# Altium PCB OCB Development Board.PcbDoc (part 1 of 2) (continued)
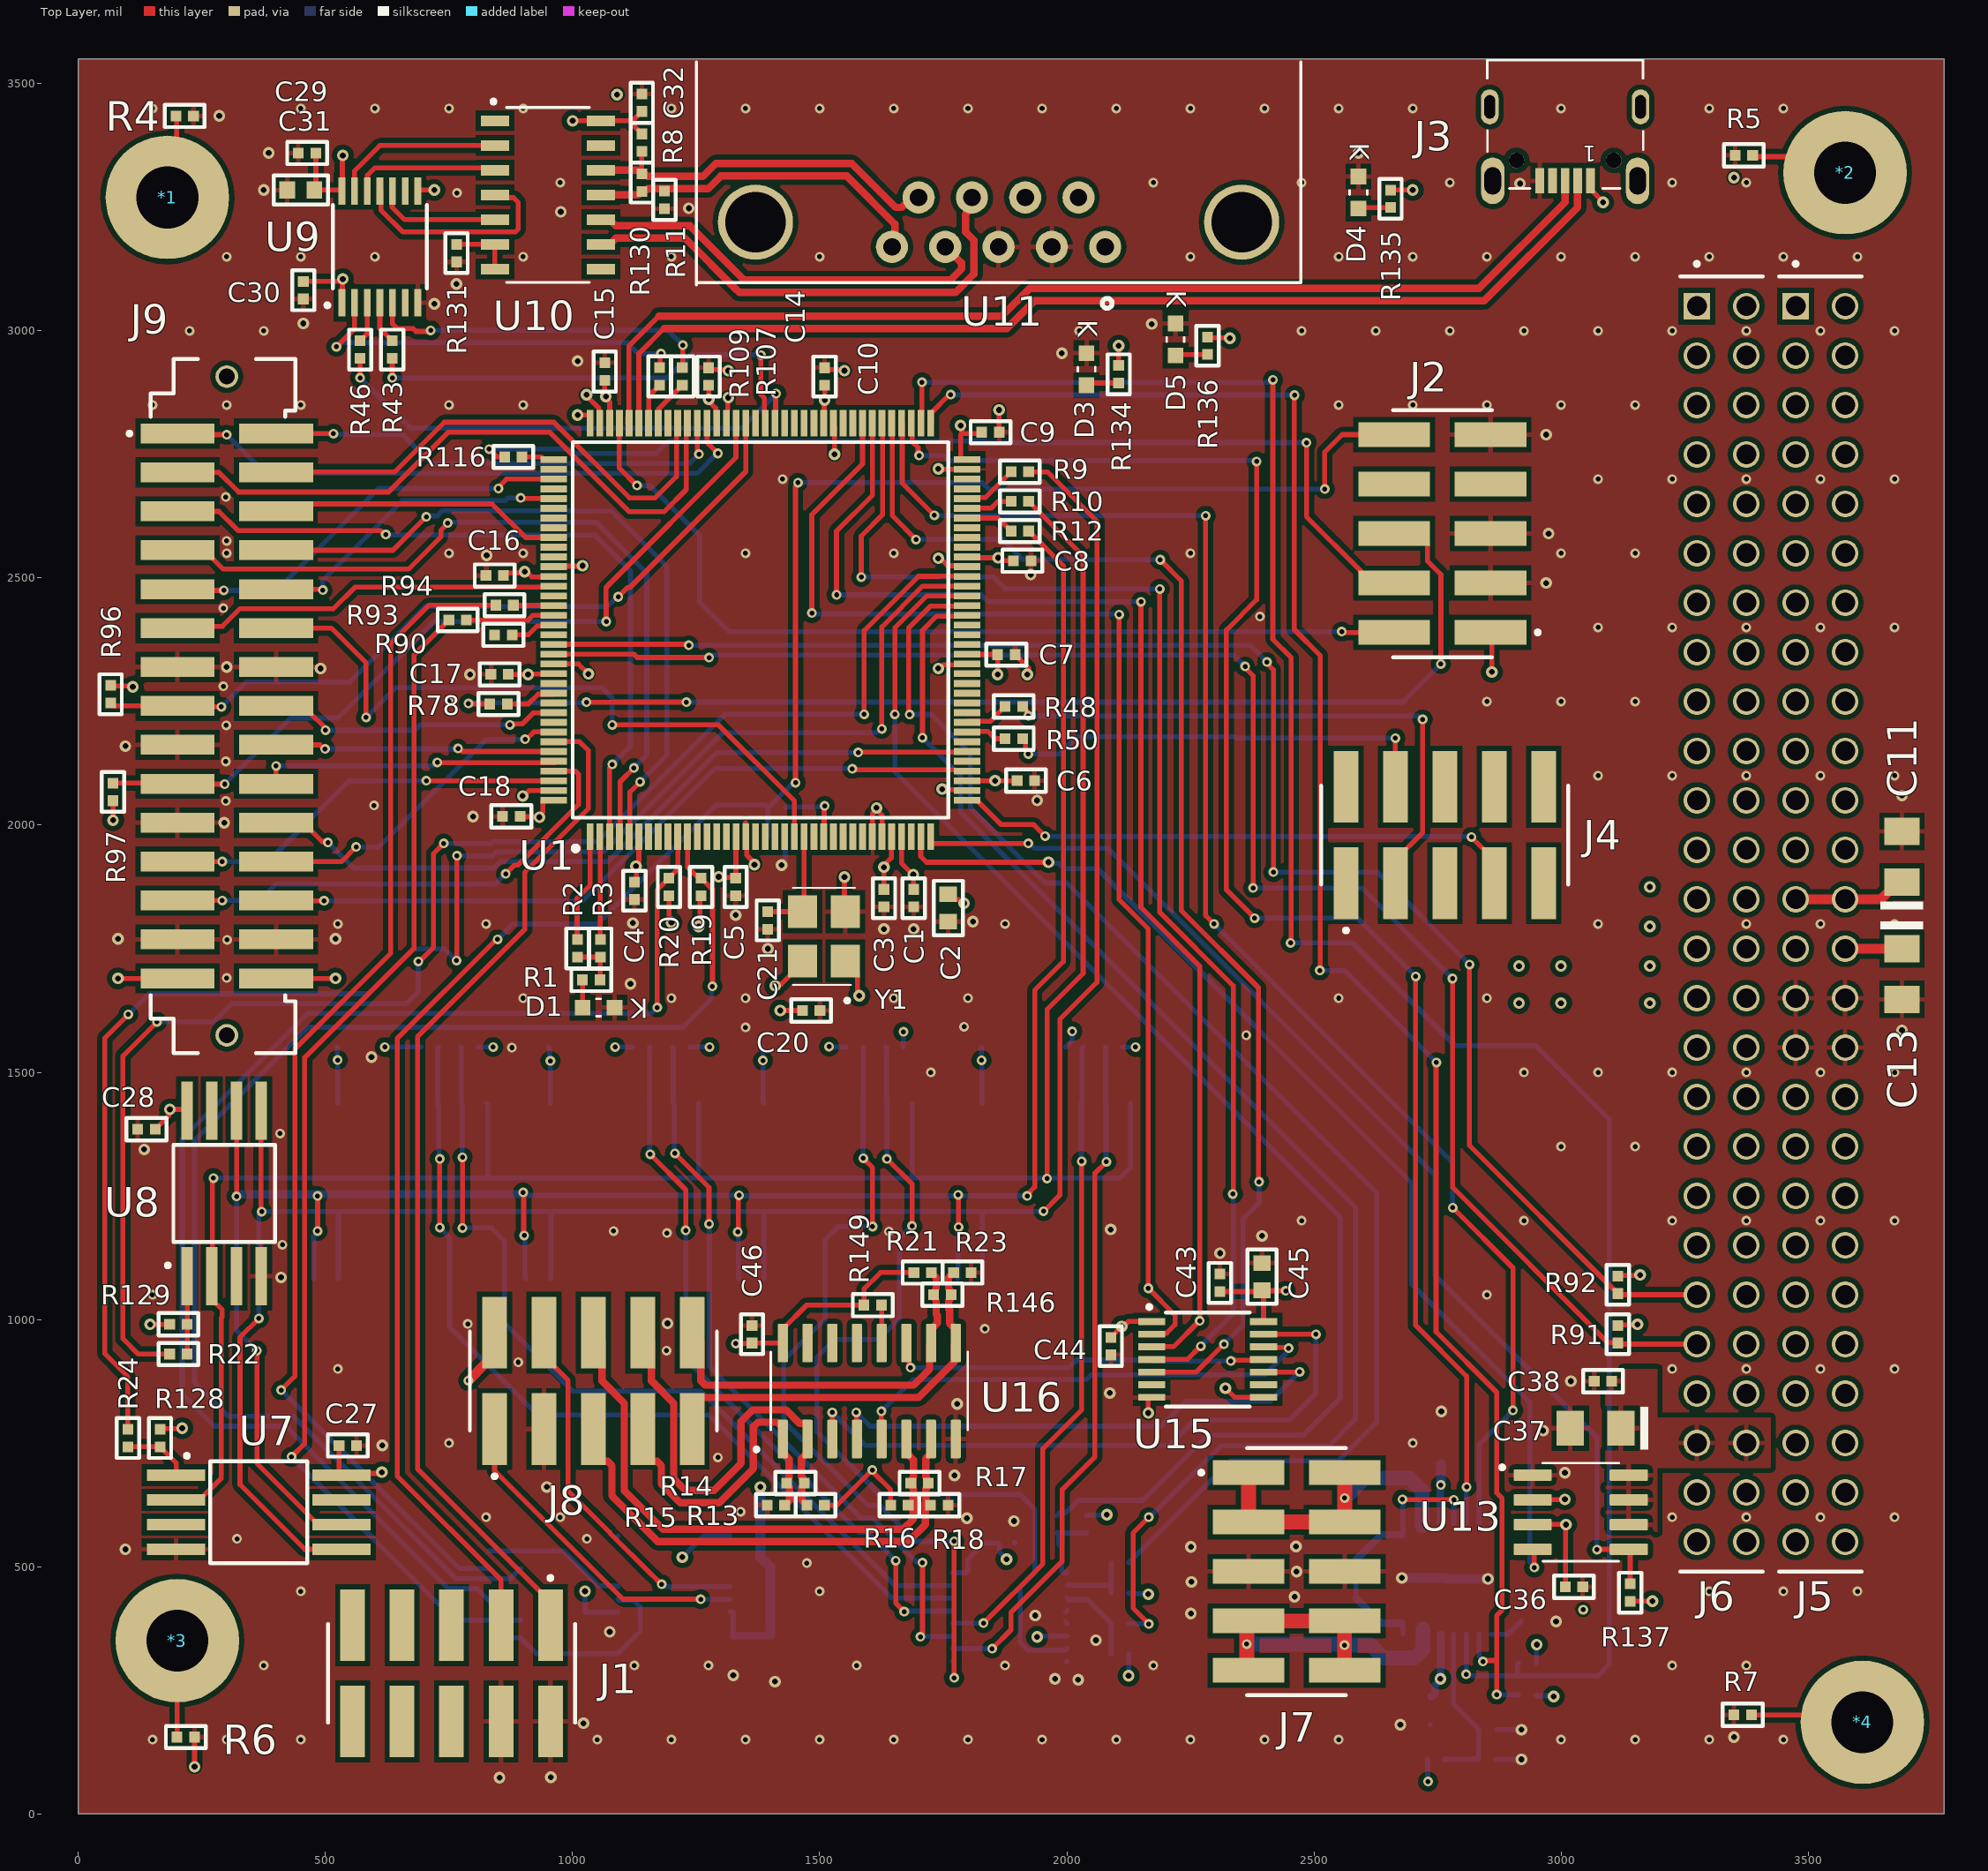
[diagram p0: Top Layer view]
## Part data (continued)
R142: library part RT-0R1-3W-2512, "RES 0.1 OHM 1% 3W 2512", Manufacturer="Bourns Inc.", Manufacturer Part #=CRA2512-FZ-R100ELF, ComponentLink1description=Datasheet, ComponentLink1URL=https://www.vishay.com/docs/20035/dcrcwe3.pdf, ComponentLink2description="Manufacturer Website", ComponentLink2URL=https://www.vishay.com/, Distributor=Digikey, Distributor Part #=CRA2512-FZ-R100ELFCT-ND, Part Description="RES 0.1 OHM 1% 3W 2512"
U1: "IC MCU 32BIT 2MB FLASH 144LQFP", Manufacturer=STMicroelectronics, Manufacturer Part #=STM32L4R5ZIT6, Mouser Part Number=511-STM32L4R5ZIT6P, Distributor=Mouser
U2 U3 U5 U6: library part U-S70FL01GSAGMFI011, "IC FLASH 1GBIT SPI/QUAD 16SOIC", Manufacturer="Cypress Semiconductor", Distributor=Digikey, Distributor Part #=1274-1092-ND, Manufacturer Part #=S70FL01GSAGMFI011
U4: library part U-74LCX138MTC, "IC DECODER/DEMUX 1X3:8 16TSSOP", Manufacturer=onsemi, Distributor=Digikey, Distributor Part #=74LCX138MTC-ND, Manufacturer Part #=74LCX138MTC
U7 U8: library part U-CY15B108QN-40SXI, "IC FRAM 8MBIT SPI 40MHZ 8SOIC", Manufacturer="Cypress Semiconductor", Distributor=Digikey, Distributor Part #=428-4717-ND, Manufacturer Part #=CY15B108QN-40SXI
U9 U12 U15: "IC TRNSLTR BIDIRECTIONAL 14TSSOP", Manufacturer="Maxim Integrated", Manufacturer Part #=MAX3378EEUD+T, Distributor=Digikey, Distributor Part #=MAX3378EEUD+TCT-ND
U10: library part U-MAX3086EESD+T, "IC TRANSCEIVER FULL 1/1 14SOIC", Manufacturer="Maxim Integrated Products", Distributor=Digikey, Distributor Part #=MAX3086EESD+TCT-ND, Manufacturer Part #=MAX3086EESD+T, RefDes=RefDes, Type=DEV
U11: library part J-LD09S13A4GX00LF, "CONN D-SUB RCPT 9POS R/A SLDR", Manufacturer="Amphenol ICC (FCI)", Distributor=Digikey, Distributor Part #=609-5189-ND, Manufacturer Part #=LD09S13A4GX00LF, RefDes=RefDes, SourceLibrary=Add_to_database_2021-03-09, Type=DEV
U13: library part U-TPS2055AD, "IC PWR SWITCH N-CHAN 1:1 8SOIC", Manufacturer="Texas Instruments", Distributor=Digikey, Distributor Part #=296-3418-5-ND, Manufacturer Part #=TPS2055AD, RefDes=RefDes, Type=DEV
U14: library part U-MAX14871EUE+T, "IC MOTOR DRIVER 4.5V-36V 16TSSOP", Manufacturer="Maxim Integrated Products", Distributor=Digikey, Distributor Part #=MAX14871EUE+CT-ND, Manufacturer Part #=MAX14871EUE+T
U16: library part U-MAX3095CSE+T, "IC RECEIVER 0/4 16SO", Manufacturer="Maxim Integrated", Distributor=Digikey, Distributor Part #=MAX3095CSE+TCT-ND, Manufacturer Part #=MAX3095CSE+T
Y1: library part Y-ASFL1-25.000MHZ-L-T, "XTAL OSC XO 25.0000MHZ HCMOS TTL", Manufacturer=ABRACON, Distributor=Digikey, Distributor Part #=535-10819-1-ND, Manufacturer Part #=ASFL1-25.000MHZ-L-T

## Via types
v1: diameter 19.68, hole 9.84, Top Layer to Bottom Layer, tented both sides, 388 vias
v2: diameter 23.62, hole 11.81, Top Layer to Bottom Layer, tented both sides, 165 vias
v3: diameter 19.68, hole 9.84, Top Layer to Bottom Layer, tented top, 3 vias
v4: diameter 19.68, hole 9.84, Top Layer to Bottom Layer, 1 vias

## Nets (pads, with @x,y where several pads share a name; then routed paths per layer and width w, separated by ;. In a path a pad name is that pad's centre, name@x,y a point inside that pad or via, vN(x,y) a via of type N, cw(c..) or ccw(c..) an arc to the next point about the centre after c; other vN are vias at no path point)
3V3: C1.2 C2.2 C3.2 C4.2 C5.2 C6.2 C7.2 C8.2 C9.2 C10.2 C13.1 C14.2 C15.2 C16.2 C17.2 C18.2 C20.2 C22.1 C23.1 C24.1 C25.1 C26.1 C27.1 C28.1 C30.1 C33.1 C36.1 C44.1 J2.01 J5.27 J5.28 J9.29 J9.30 R19.1 R20.2 R91.2 R92.1 R96.2 R97.1 R117.1 R118.1 R119.1 R120.1 R121.1 R122.1 R123.1 R124.1 R125.1 R126.1 R127.1 R128.1 R129.1 R134.1 R137.1 R139.2 R140.1 R141.1 U1.6 U1.16 U1.32 U1.33 U1.39 U1.52 U1.62 U1.72 U1.84 U1.95 U1.106 U1.108 U1.121 U1.131 U1.144 U2.2 U3.2 U4.6 U4.16 U5.2 U6.2 U7.8 U8.8 U9.1 U9.8 U12.1 U12.8 U13.2 U13.3 U15.1 U15.8 Y1.1 Y1.4 | length 4779.7
  Top Layer w10: R96.2@65,2282.72 66.36,2281.36 108.64,2281.36 v2(110,2280) ; v2(70,2010) R97.1@70,2049.57 ; v2(80,1690) 200.32,1690 J9.29@200.39,1690.08 ; v2(145,990) R129.1@184.57,990 ; C28.1@155.43,1385 182.39,1411.96 182.39,1422.39 v2(185,1425) 217.32,1425 U8.8@220,1422.32 ; R128.1@165,777.72 166.14,778.86 208.86,778.86 v2(210,780) ; J9.30@400,1690.08 400.08,1690 v2(520,1690) ; C30.1@455,3100 526.31,3100 531.31,3105 v2(535,3105) 534.11,3104.11 534.11,3057.7 U9.1@533.23,3056.81 ; C27.1@527.28,745 527.28,690.04 U7.8@532.32,685 ; U7.8@527.9,686 530.29,688.39 611.39,688.39 v2(614,691) ; U9.8@686.77,3283.19 688.58,3285 v2(720,3285) ; C16.2@860,2505 865.39,2510.39 900.39,2510.39 v2(903,2513) 906.69,2513 917.69,2502 934,2502 ; C17.2@870,2305 v2(910,2305) 910.71,2305.71 960.98,2305.71 U1.131@961.69,2306.42 ; C18.2@893.72,2018 894.72,2017 932,2017 v2(933,2016) 933,2019.69 940.12,2026.8 940.12,2048.62 942.01,2050.51 U1.144@961.69,2050.51 U1.144@961.44,2050.26 ; v2(1010,2830) U1.108@1030,2830 ; v2@1065,2865 C15.2@1065,2900 ; v2(1067.17,2867.17) 1067.17,2863.48 1075,2855.66 1075,2840 ; v2@1125.62,1915.7 1129.17,1912.14 1129.17,1895.83 ; v2(1128.1,1916.9) 1128.1,1920.59 1133.94,1926.42 U1.6@1133.94,1976.69 ; R20.2@1195,1857.28 1195,1811.69 1200,1806.69 v2(1200,1803) ; v2(1255,1795) 1257.5,1797.5 1257.5,1854.78 R19.1@1260,1857.28 ; C14.2@1275,2890 1275.18,2889.82 1275.18,2861.87 v2(1275.35,2861.69) 1275.35,2858.01 1289.53,2843.83 1289.53,2815.2 U1.95@1291.42,2813.31 ; v2(1295.5,1895.5) 1296.89,1894.11 1329.4,1894.11 1330.39,1893.11 1330.39,1976.3 U1.16@1330.79,1976.69 ; v2(1410,1675) 1412.61,1677.61 1421.54,1677.61 1465,1721.06 Y1.4@1465,1725 ; v2(1420,1625) C20.2@1465,1625 ; U1.84@1507.95,2813.31 1508.98,2814.33 1508.98,2858.98 v2(1510,2860) C10.2@1510,2890 ; Y1.1@1551.61,1725 1576.14,1700.47 1576.14,1662.54 1580,1658.69 v2(1580,1655) ; C3.2@1630,1870 v2(1630,1915) 1630,1918.69 1645,1933.69 1645,1950 ; U1.33@1665.43,1976.69 1665.43,1922.98 v2@1686.7,1901.7 ; v2(1689.31,1900) 1689.66,1899.66 1689.66,1870.34 C1.2@1690,1870 ; C2.2@1760,1860 1770.75,1849.25 1781.15,1849.25 1788.36,1842.04 v2(1792.04,1842.04) ; v2(1785,2808.62) 1787.5,2806.12 1787.5,2792.5 ; U1.39@1798.31,2089.88 1798.37,2089.94 1854.94,2089.94 v2(1855,2090) C6.2@1899.57,2090 ; U1.52@1798.31,2345.79 1798.7,2345.39 1859.61,2345.39 C7.2@1860,2345 v2(1860,2305) ; U1.72@1798.31,2739.49 1786.89,2739.49 1785,2741.38 1785,2790 1787.5,2792.5 ; 1825,2541 v2(1861.28,2541) ; C9.2@1828,2795 1825.5,2792.5 1787.5,2792.5 ; v2@1864.28,2540 1863.28,2541 v2(1861.28,2541) ; C8.2@1892.28,2535 1867.28,2535 v2(1861.28,2541) ; C44.1@2089,963.72 2111,985.72 v2(2111,986) 2114.69,986 2124.57,995.89 2171.7,995.89 U15.1@2171.81,995.77 ; R134.1@2105,2930 v2(2105,2970) ; v2(2321,861) 2321.37,861 2340.14,842.23 U15.8@2398.19,842.23 ; J2.01@2857.44,2390 2860,2387.44 v2(2860,2310) ; U13.3@2942.76,585 v2(3010,585) 3009.28,584.28 3009.28,459.72 C36.1@3008.57,459 ; U13.2@2942.76,635 2943.26,635.5 3007.5,635.5 v2(3008,636) ; R91.2@3115,987.72 3116.14,988.86 3153.86,988.86 v2(3155,990) ; R92.1@3115,1087.72 3116.14,1088.86 3158.86,1088.86 v2(3160,1090) ; R137.1@3140,429.57 3140.22,429.78 3184.78,429.78 v2(3185,430)
  Top Layer w20: J5.28@3575,1750 C13.1@3690,1750
  Bottom Layer w10: C22.1@523.28,1551 523.96,1550.32 523.96,1525.68 v1(524.64,1525) 524.64,1438.69 U2.2@526,1437.33 ; v1(620,1551) R119.1@693.57,1551 ; R117.1@809.43,1551 v1(839,1551) ; C23.1@950.72,1551 953.15,1548.57 953.15,1524.85 v1(955,1523) U3.2@955,1437.33 ; v2(1025,450) C33.1@1025,407.72 1025.26,407.97 1091.56,407.97 U12.1@1091.81,408.23 ; v1(1086,1551) R120.1@1121.28,1551 ; v2(1222,519) 1264.77,561.77 U12.8@1318.19,561.77 ; R118.1@1237.72,1551 v1(1277,1551) ; C25.1@1383,1551 1385,1549 1385,1439.33 U5.2@1387,1437.33 ; v1(1519,1552) 1519.5,1551.5 1552.78,1551.5 R125.1@1553.28,1551 ; v1(1669.26,1581.96) 1669.43,1581.79 R124.1@1669.43,1551 ; U4.16@1769.04,487.78 U4.16@1769.25,487.57 1796.02,487.57 1799.29,490.83 1799.29,513.83 1833.46,548 C24.1@1859.28,548 1863.58,543.71 1863.58,529.42 v2(1878,515) ; C26.1@1827.72,1551 1827.36,1550.64 v1(1827.36,1524.36) 1828.18,1523.54 1828.18,1438.15 U6.2@1829,1437.33 ; v2(1940,357.57) 1942.05,359.61 U4.6@2000.75,359.61 ; R127.1@1997.57,1551 2011,1564.43 v1(2011,1583) ; R123.1@2040,603.43 2040.78,604.22 2080.22,604.22 v2(2081,605) ; R126.1@2113.43,1551 v1(2139,1551) ; v2(2125,279) 2125.22,279.22 2125.22,322.78 R121.1@2125.43,323 ; R122.1@2125.43,446.33 2126.6,445.17 2163.83,445.17 v2(2165,444) ; R139.2@2729.57,110 2730.28,109.28 2730.28,65.72 v1(2731,65) ; R141.1@2950,240 2951.5,238.5 2983.5,238.5 v2(2985,237) ; R140.1@2950,305 2950.5,305.5 2950.5,341.5 v2(2951,342)
  other v1: 1385,1524
5V: C11.1 C12.1 C29.1 C31.2 C32.1 C34.2 C39.1 C40.1 C43.1 C45.2 C46.1 J3.1 J5.25 J5.26 J8.02 R8.2 R13.2 R16.2 R21.2 R135.1 R149.2 U9.14 U10.14 U11.4 U12.14 U14.4 U14.13 U15.14 U16.16 | length 2425.8
  Top Layer w10: C29.1@480.43,3360 480.43,3287.87 C31.2@477.56,3285 U9.14@531.42,3285 ; U9.14@533.23,3283.19 U9.14@531.42,3285 ; v2(535,3355) 534.11,3354.11 534.11,3287.7 U9.14@531.42,3285 ; J8.02@822,931 J8.02@842,951 ; v2(1000,3425) U10.14@1057.25,3425 1121,3425 ; R8.2@1140,3398.43 1121,3417.43 1121,3425 ; C32.1@1140,3444 1121,3425 ; v1(1330,951) 1330.64,951.64 1362.36,951.64 C46.1@1363,952.28 1425.13,952.28 U16.16@1425.32,952.09 1425.32,980.64 1473.69,1029 R149.2@1589.57,1029 1589.57,1061.57 1623,1095 R21.2@1690.57,1095 ; R13.2@1509.43,624 1535,624 v1(1606.57,695.57) ; v1@1605,694 1643.57,655.43 R16.2@1643.57,624 ; C43.1@2310,1056.28 2392.28,1056.28 C45.2@2395,1059 C45.2@2396,1058 ; U15.14@2398.19,995.77 2398.19,1055.81 C45.2@2396,1058 ; v1(2443,1058) C45.2@2396,1058 ; R135.1@2655,3285 v2(2700,3285) ; J3.1@3059.61,3303.66 3059.61,3286.93 3085,3261.54 v2(3085,3260) ; C11.1@3682.13,1885 C11.1@3690,1885
  Top Layer w20: v1(789,876) 823.56,910.56 827,910.56 842,925.56 842,951 J8.02@842,973 ; J5.25@3475,1850 J5.26@3575,1850 3647.13,1850 C11.1@3682.13,1885
  Bottom Layer w10: U12.14@1318.19,408.23 1323.11,408.23 1325,406.34 C12.1@1325,360.43 ; C34.2@1397.87,360.43 C34.2@1400,362.56 ; C40.1@2735,235 C40.1@2737,237 ; U14.4@2757.1,587.1 U14.4@2757.2,587
  Bottom Layer w15: C12.1@1325,360.43 1395,360.43 C34.2@1397.87,360.43 ; C40.1@2737,237 2738.97,237 2745.22,243.25 2745.22,259.9 2755.98,270.67 v2(2755.98,273) 2756.59,273.59 2756.59,362.39 U14.13@2757.2,363 ; v1@2757,662.84 2756.1,662.84 2755.66,662.39 2755.66,623.67 2756.59,622.74 2756.59,587.61 U14.4@2757.1,587.1
  Bottom Layer w20: v2(1380,661) 1380,518.98 1400,498.98 C34.2@1400,362.56 ; v1(2757,665) 2757,706.44 C39.1@2758,707.44
  other v2: 2915,1640 3000,1640 3180,1640 2915,1715 3000,1715 3180,1715 3180,1795 3180,1875
BOOT0: J1.01 U1.138 | length 2077.8
  Top Layer w10: J1.01@955,381.44 955,428.88 686,697.88 686,1571.87 903,1788.87 903,1904.72 1032,2033.72 1032,2151 1014,2169 U1.138@986,2169
CAMERA_NRST: J9.16 U1.135 | length 599.2
  Top Layer w10: J9.16@400,2241.26 454.72,2241.26 469.8,2226.18 498.15,2197.84 498.15,2193.85 v1(500,2192) ; v1(873,2203) 874.56,2204.56 897.84,2204.56 920.12,2226.83 960.85,2226.83 U1.135@961.69,2227.68
  Bottom Layer w10: v1(500,2192) 681,2192 692,2203 v1(873,2203)
CAMERA_NSTANDBY: J9.18 U1.139 | length 568.1
  Top Layer w10: J9.18@400,2162.52 488.67,2162.52 497.19,2154 v1(499,2154) ; v1(768,2155) 770.62,2155 776.62,2149 961.63,2149 U1.139@961.69,2148.94
  Bottom Layer w10: v1(499,2154) 499.5,2154.5 767.5,2154.5 v1(768,2155)
CAMERA_OE: J9.25 U1.141 | length 978.7
  Top Layer w10: J9.25@200.39,1847.56 v1(290.98,1847.56) ; v1(864.58,1901.42) 882.25,1919.1 889.1,1919.1 1012,2042 1012,2103.14 1006.14,2109 989,2109
  Bottom Layer w10: v1(290.98,1847.56) 366.56,1847.56 400,1881 844.15,1881 v1(864.58,1901.42)
CAMERA_STROBE: J9.20 U1.140 | length 604.3
  Top Layer w10: J9.20@400,2083.78 v1(400,2120) ; v1(726,2127) 726.54,2126.46 U1.140@965,2126.46
  Bottom Layer w10: v1(400,2120) 716.38,2120 723.38,2127 v1(726,2127)
CAMERA_TRIG: J9.23 U1.142 | length 829.2
  Top Layer w10: J9.23@200.39,1926.3 v1(290.98,1926.3) ; v1(704,2090) 704.06,2089.94 961.63,2089.94 U1.142@961.69,2089.88
  Bottom Layer w10: v1(290.98,1926.3) 383.64,1926.3 547.34,2090 v1(704,2090)
DCMI_D0: J9.01 U1.96 | length 1186.6
  Top Layer w10: J9.01@200.39,2792.44 202.83,2790 v1(300,2790) ; 1272.05,2786 1272.05,2777.95 1274.82,2775.18 1274.82,2771.34 v1(1294,2752.16)
  Bottom Layer w10: v1(300,2790) 378.16,2711.84 1251.84,2711.84 1292.16,2752.16 v1(1294,2752.16)
DCMI_D1: J9.02 U1.97 | length 952.4
  Top Layer w10: J9.02@400,2792.44 400.44,2792 v1(516,2792) ; U1.97@1252.05,2813.31 1252.05,2756.57 1255.43,2753.19 v1(1255.43,2750.57)
  Bottom Layer w10: v1(516,2792) 517.41,2790.59 655.41,2790.59 714.16,2731.84 1236.71,2731.84 v1(1255.43,2750.57)
DCMI_D2: J9.03 U1.98 | length 1294.5
  Top Layer w10: J9.03@200.39,2713.7 J9.03@200.39,2713.7 284.34,2713.66 324,2674 627.28,2674 748.28,2795 953.79,2795 1114.79,2634 1185,2634 1230,2679 U1.98@1230,2792
DCMI_D3: J9.04 U1.99 | length 1042.3
  Top Layer w10: J9.04@400,2713.7 408.7,2713.7 410,2715 640,2715 740,2815 962.07,2815 1114.91,2662.16 1166.87,2662.16 1210,2705.28 1210,2797.13 1210.79,2797.92 1210.79,2811.42 U1.99@1212.68,2813.31
DCMI_D4: J9.05 U1.3 | length 1522
  Top Layer w10: J9.05@200.39,2634.96 200.69,2634.66 284.34,2634.66 323,2596 611.38,2596 619.38,2588 v1(622,2588) ; U1.3@1074.88,1976.69 1074.88,2115.26 1080,2120.38 v1(1080,2123)
  Bottom Layer w10: v1(622,2588) 623.37,2586.63 1045.09,2586.63 1117.09,2514.62 1117.09,2160.09 v1(1080,2123)
DCMI_D5: J9.06 U1.117 | length 596.1
  Top Layer w10: J9.06@400,2634.96 415.04,2650 837,2650 904.99,2582.01 U1.117@961.69,2582.01
DCMI_D6: J9.07 U1.4 | length 1586.2
  Top Layer w10: J9.07@200.39,2556.22 255.12,2556.22 293.34,2518 668,2518 733.82,2583.82 733.82,2597.04 747,2610.22 v1(747,2611.47) ; U1.4@1096,2002 1096,2088 v1(1124,2116)
  Bottom Layer w10: v1(747,2611.47) 748.37,2612.84 1047.16,2612.84 1150,2510 1150,2142 v1(1124,2116)
DCMI_D7: J9.08 U1.5 | length 1427.2
  Top Layer w10: J9.08@400,2556.22 636.22,2556.22 v1(704,2624) ; U1.5@1116,1998 1116,2067.13 v1(1136.43,2087.57)
  Bottom Layer w10: v1(704,2624) 705.85,2625.85 726.25,2625.85 736.71,2636.32 1077.68,2636.32 1191,2523 1191,2142.13 v1(1136.43,2087.57)
DCMI_D8: J9.09 U1.111 | length 857.6
  Top Layer w10: J9.09@200.39,2477.48 202.87,2475 v1(294,2475) ; v1(850,2681.16) 850,2683.78 865.58,2699.36 865.58,2700.12 U1.111@961.69,2700.12
  Bottom Layer w10: v1(294,2475) 400.81,2475 606.97,2681.16 v1(850,2681.16)
DCMI_D9: J9.10 U1.113 | length 652.1
  Top Layer w10: J9.10@400,2477.48 492.59,2477.48 v1(494.56,2475.5) ; v1(895,2662) 895.63,2661.37 961.07,2661.37 U1.113@961.69,2660.75
  Bottom Layer w10: v1(494.56,2475.5) 494.56,2495.7 655.18,2656.32 863.2,2656.32 868.89,2662 v1(895,2662)
DCMI_D10: J9.11 U1.122 | length 796.4
  Top Layer w10: J9.11@200.39,2398.74 203.99,2402.34 291.47,2402.34 327.13,2438 516,2438 559.69,2481.69 959.8,2481.69 U1.122@961.69,2483.58
DCMI_D11: J9.12 U1.22 | length 1390.5
  Top Layer w10: J9.12@400,2398.74 511.64,2398.74 582,2328.38 v1(582,2218) ; v1(1080,2203) 1295,2203 1449.01,2048.99 U1.22@1449.01,1998.43
  Bottom Layer w10: v1(582,2218) 642,2278 1059.14,2278 1080,2257.14 v1(1080,2203)
DCMI_HSYNC: J9.26 U1.40 | length 1484.3
  Top Layer w10: J9.26@400,1847.56 400.56,1847 v1(497,1847) ; v1(1566,2114) 1567.64,2112.36 U1.40@1772,2112.36
  Bottom Layer w10: v1(497,1847) 1020.28,1847 1288.28,2115 1565,2115 v1(1566,2114)
DCMI_PIXCLK: J9.22 U1.42 | length 1533.9
  Top Layer w10: J9.22@400,2005.04 454.72,2005.04 492.91,1966.85 503.15,1966.85 v1(505,1965) ; v1(1578,2147) 1578.97,2147.97 1797.34,2147.97 U1.42@1798.31,2148.94
  Bottom Layer w10: v1(505,1965) 556.68,1913.32 841.33,1913.32 854.29,1926.27 1071.27,1926.27 1292,2147 v1(1578,2147)
DCMI_VSYNC: J9.24 U1.137 | length 670.8
  Top Layer w10: J9.24@400,1926.3 400.3,1926 532,1926 v1(562,1956) ; v1(904,2173.84) 906.62,2173.84 921.43,2188.65 961.35,2188.65 U1.137@961.69,2188.31
  Bottom Layer w10: v1(562,1956) 608,1956 825,2173 856,2173 856.84,2173.84 v1(904,2173.84)
ENCODER_A: U1.80 U15.2 | length 2588.9
  Top Layer w10: v1(1484,2429) 1484,2628 1586.69,2730.69 U1.80@1586.69,2813.31 ; v1(2106,2426) 2106,1849.43 2165,1790.43 v1(2165,1063) 2219,1009 2219,989 2202.07,972.07 2173.7,972.07 U15.2@2171.81,970.18
  Bottom Layer w10: v1(1484,2429) 1485.5,2427.5 2104.5,2427.5 v1(2106,2426)
ENCODER_A_N: J8.05 R17.1 R18.2 U16.7 | length 1026
  Top Layer w15: J8.05@1042,778.12 1042,730.68 1059.5,713.18 1070.71,713.18 1079.5,704.39 1079.5,643.14 1171.98,550.67 1679.49,550.67 1714.14,585.32 1714.14,628.29 1714.5,628.64 1714.5,657.13 1716.39,659.02 1716.39,665.67 R17.1@1719.72,669 1716.39,672.33 1716.39,678.98 1714.5,680.87 1714.5,718.63 1725.32,729.46 U16.7@1725.32,758
ENCODER_A_P: J8.06 R16.1 R17.2 U16.6 | length 1143.9
  Top Layer w15: J8.06@1042,973 1059.5,955.5 1059.5,875.74 1104.5,830.74 1104.5,653.5 1182.33,575.67 1669.14,575.67 1689.14,595.67 1689.14,638.64 1689.5,639 1689.5,657.13 1687.61,659.02 1687.61,665.67 R17.2@1684.28,669 1687.61,672.33 1687.61,678.98 1689.5,680.87 1689.5,716.06 1679.04,726.52 1678.26,726.52 1675.32,729.46 U16.6@1675.32,758 U16.6@1675.16,758.16
ENCODER_B: U1.79 U15.3 | length 2599.4
  Top Layer w10: v1(1534,2466) 1534,2595 1607,2668 U1.79@1607,2790.21 ; v1(2150,2452) 2150,1833.72 2269,1714.72 v1(2269,997) 2268.3,997 2216.1,944.8 2172.02,944.8 U15.3@2171.81,944.59
  Bottom Layer w10: v1(1534,2466) 1827,2466 1841,2452 v1(2150,2452)
ENCODER_B_N: J8.07 R14.1 R15.2 U16.1 | length 679
  Top Layer w15: J8.07@1142,778.12 1142,730.68 1159.5,713.18 1170.71,713.18 1179.5,704.39 1179.5,667.5 1218,629 1296.36,629 1366,698.64 1366,783.21 1374.79,792 1413.6,792 1416.13,789.48 1422.39,789.48 1425.32,786.54 1425.32,729.46 1428.26,726.52 1429.04,726.52 1437.82,717.74 1437.82,680.19 1436.61,678.98 1436.61,672.33 R14.1@1433.28,669 ; R15.2@1429,624 1439,634 R14.1@1439,660
ENCODER_B_P: J8.08 R13.1 R14.2 U16.2 | length 897.2
  Top Layer w15: J8.08@1142,973 1159.5,955.5 1159.5,875.74 1204.5,830.74 1204.5,677.86 1228.36,654 1286,654 1341,709 1341,793.57 1364.43,817 1431.88,817 1459.41,789.48 1472.39,789.48 1475.32,786.54 1475.32,729.46 1472.39,726.52 1471.61,726.52 1462.82,717.74 1462.82,681.55 1465.39,678.98 1465.39,672.33 R14.2@1468.72,669 ; R14.2@1464,660 1464,634 R13.1@1474,624
ENCODER_CLK: J8.04 U12.12 | length 748.1
  Top Layer w10: J8.04@942,973 942,925.56 991,876.56 991,653 1075.22,568.78 1075.22,568.05 1159.45,483.83 1160.17,483.83 v1(1180,464)
  Bottom Layer w10: v1(1180,464) 1182.62,464 1187.21,459.41 U12.12@1318.19,459.41
ENCODER_DATA: J8.01 U12.13 | length 668.1
  Top Layer w10: J8.01@842,778.12 842,694 1102,434 v1(1259,434)
  Bottom Layer w10: v1(1259,434) 1259.09,433.91 1318.1,433.91 U12.13@1318.19,433.82
ENCODER_I: U1.78 U15.4 | length 2675.5
  Top Layer w10: v1(1584,2502) 1584,2585 1627,2628 1627,2812.37 U1.78@1626.06,2813.31 ; U15.4@2171.81,919 2244,919 v1(2271,946) ; v1(2188,2478) 2188,1824 2336.81,1675.19 2336.81,1254.81 v1(2336,1254)
  Bottom Layer w10: v1(1584,2502) 1852,2502 1876.16,2477.84 2187.84,2477.84 v1(2188,2478) ; v1(2271,946) 2336.81,1011.81 2336.81,1253.19 v1(2336,1254)
ENCODER_I_N: J8.09 R23.2 R146.1 U16.9 | length 811
  Top Layer w15: J8.09@1242,778.12 1242,824.5 1259.5,842 1700.3,842 1772.39,914.09 1772.39,949.16 U16.9@1775.32,952.09 1775.32,980.64 1772.39,983.57 1771.61,983.57 1762.82,992.36 1762.82,1018.93 1760.78,1020.97 1760.78,1038.13 1762.67,1040.02 1762.67,1046.67 R146.1@1766,1050 1762.67,1053.33 1762.67,1059.98 1760.78,1061.87 1760.78,1084.78 R23.2@1771,1095
ENCODER_I_P: J8.10 R21.1 R146.2 U16.10 | length 796.1
  Top Layer w15: J8.10@1242,973 1259.5,955.5 1259.5,875.79 1268.29,867 1689.94,867 1722.39,899.45 1722.39,949.16 U16.10@1725.32,952.09 1725.32,980.64 1728.26,983.57 1729.04,983.57 1737.82,992.36 1737.82,1008.57 1735.78,1010.61 1735.78,1038.13 1733.89,1040.02 1733.89,1046.67 R146.2@1730.57,1050 1733.89,1053.33 1733.89,1059.98 1735.78,1061.87 1735.78,1085.22 R21.1@1726,1095